# Altium PCB NewBee.PcbDoc
Units mm, origin at the board's own origin, x right, y up, seen from the top; angles counter-clockwise.
Board outline 80.7 x 80.7 mm, 2 copper layers (Top Layer, Bottom Layer); 90 components, 60 nets, 301 pads, 139 vias.
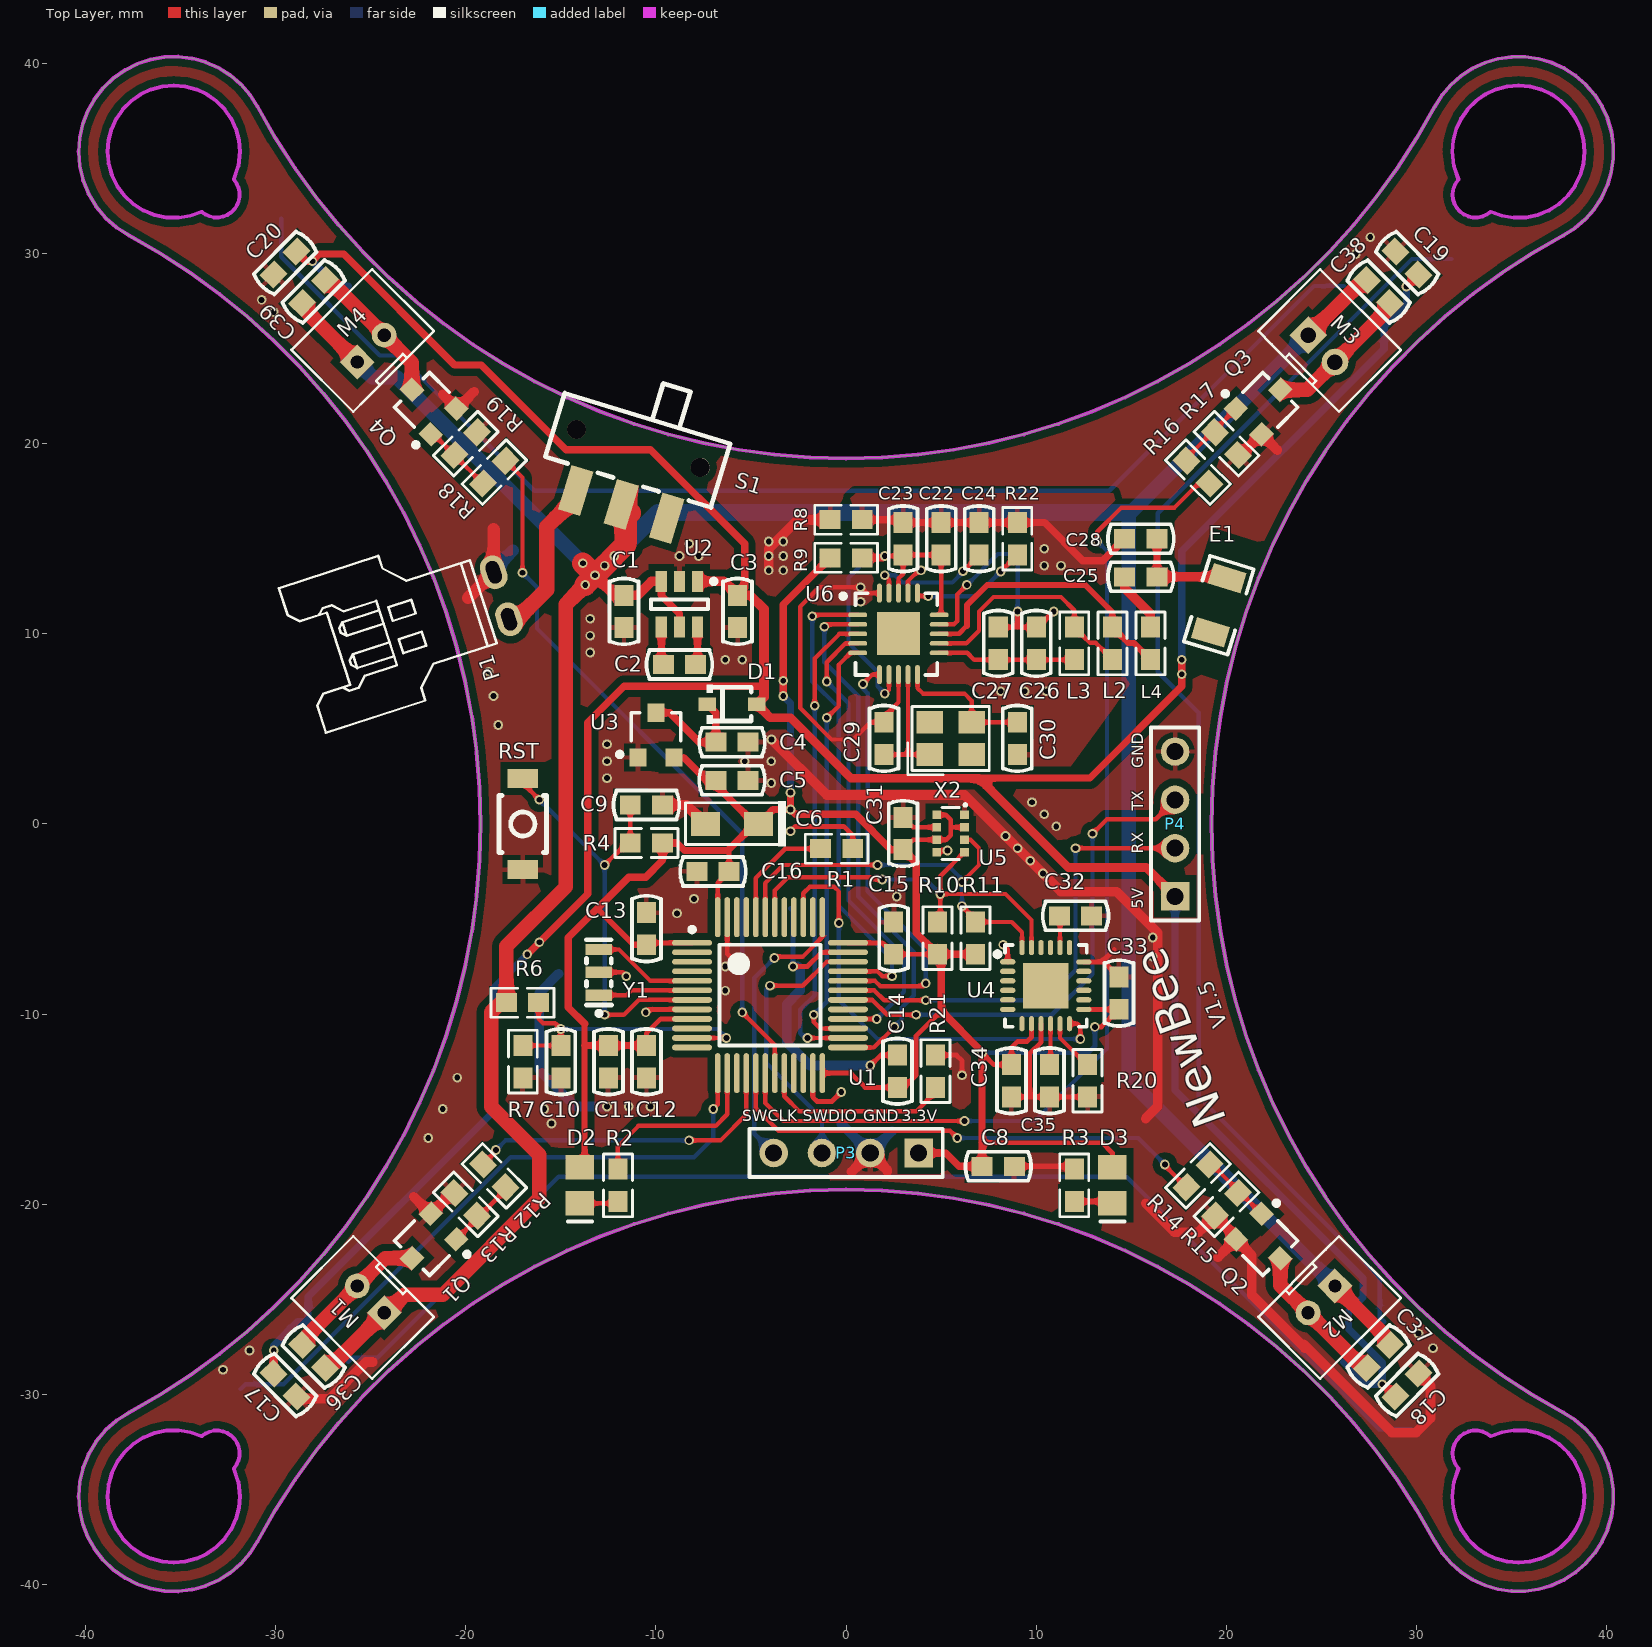
[diagram p0: Top Layer view]
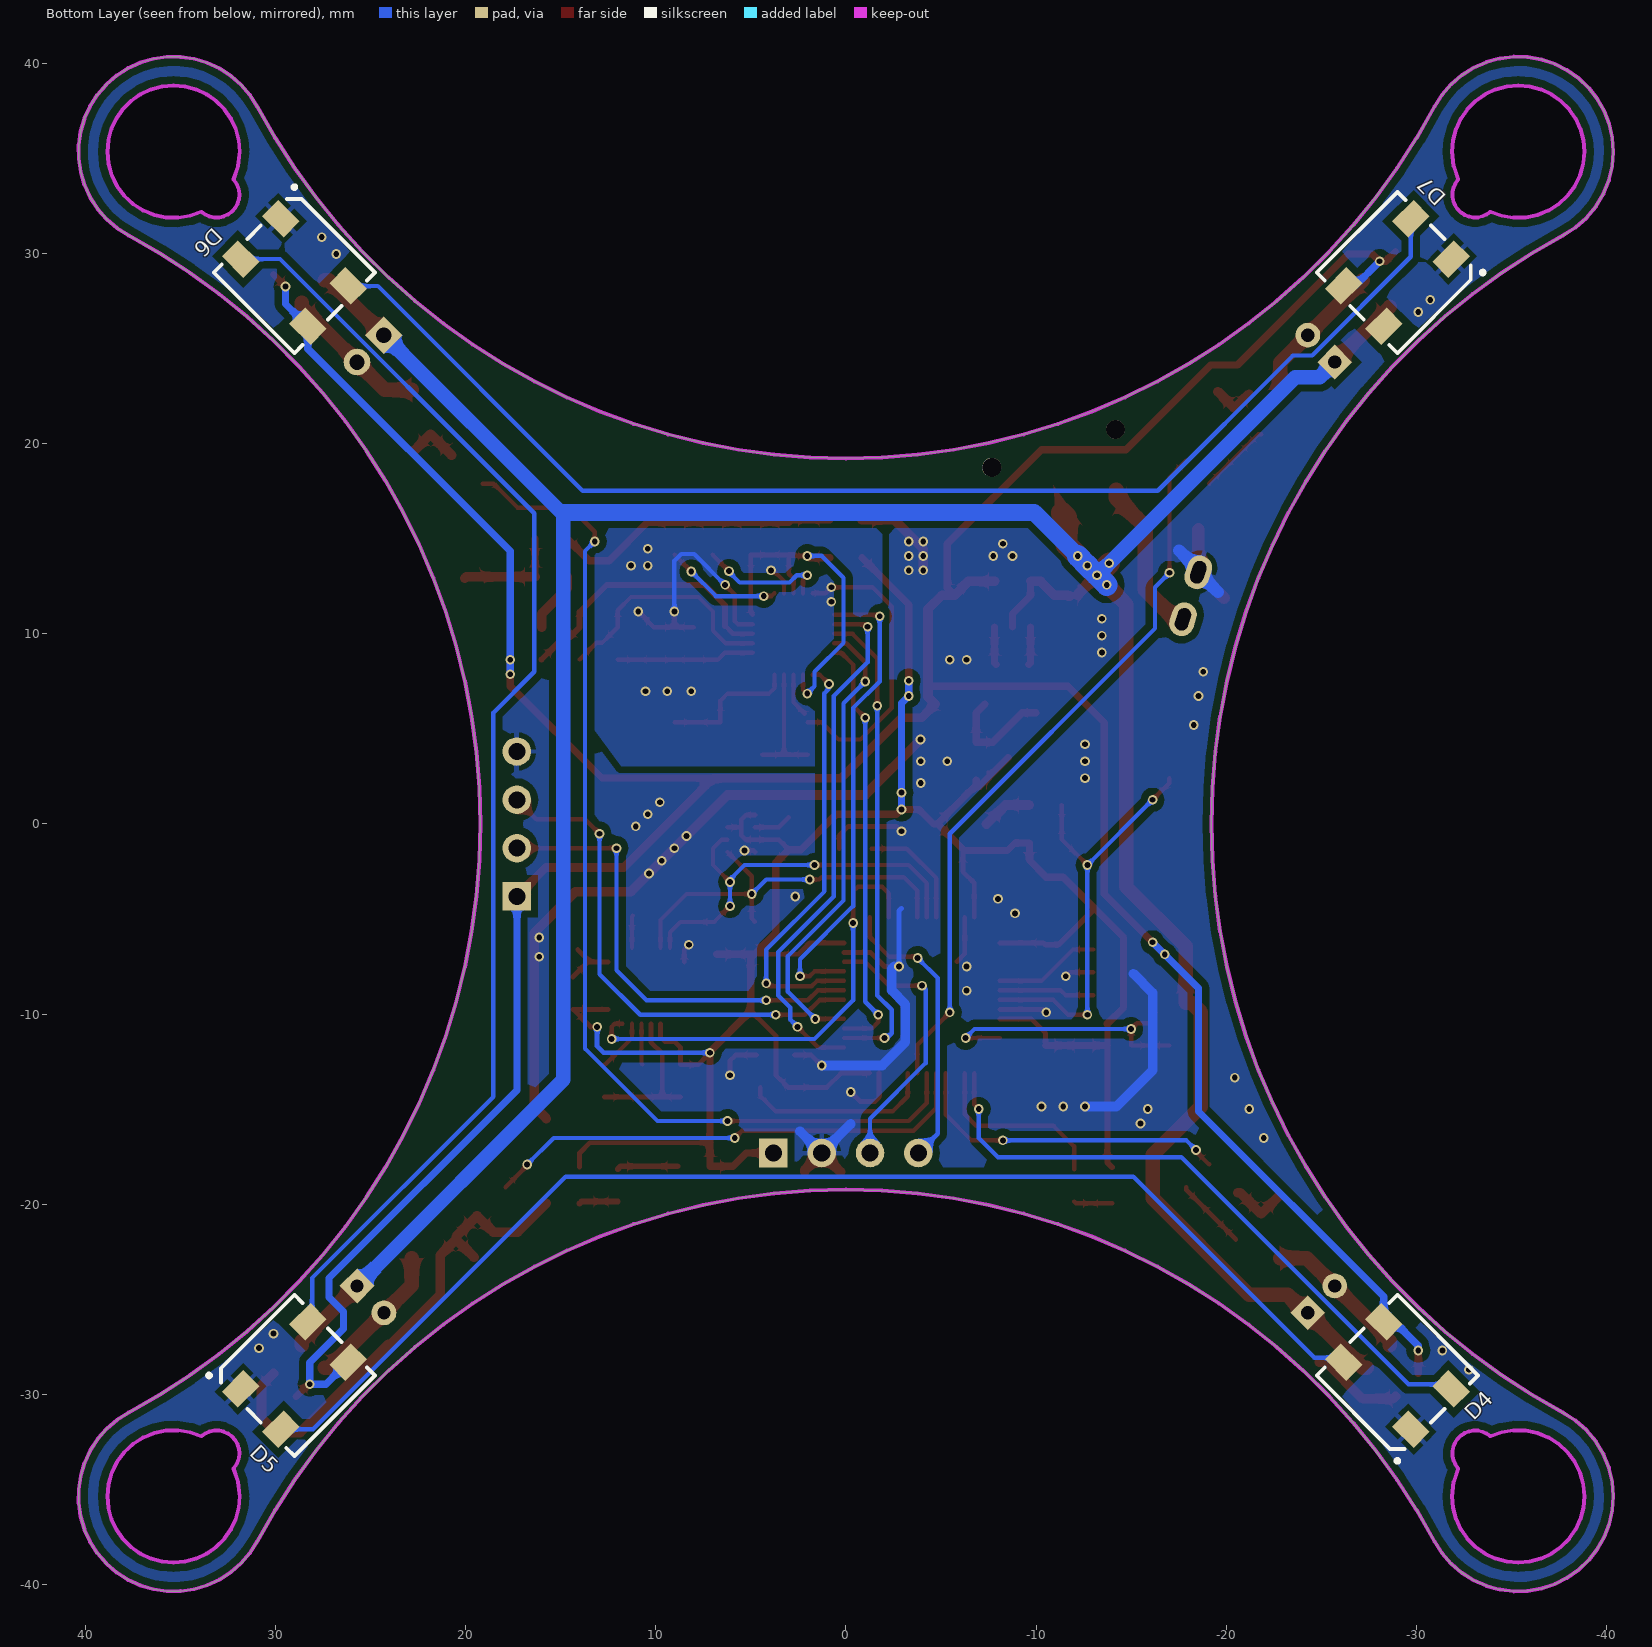
[diagram p1: Bottom Layer view, seen from below]

## Layer stack, top to bottom
Top Solder: solder mask 0.0102, Solder Resist, Dk 3.5
Top Layer: signal copper 0.0356
Dielectric 1: dielectric 0.32, FR-4, Dk 4.8
Bottom Layer: signal copper 0.0356
Bottom Solder: solder mask 0.0102, Solder Resist, Dk 3.5

## Board outline
-37.723,30.952 -36.081,30.011 -34.491,28.982 -32.959,27.87 -31.49,26.677 -30.086,25.407 -28.754,24.062 -27.495,22.648 -26.314,21.169 -25.215,19.628 -24.201,18.029 -23.274,16.379 -22.437,14.681 -21.692,12.941 -21.043,11.162 -20.49,9.352 -20.036,7.514 -19.681,5.655 -19.427,3.779 -19.274,1.892 -19.223,0 -19.274,-1.892 -19.427,-3.779 -19.681,-5.655 -20.036,-7.514 -20.49,-9.352 -21.043,-11.162 -21.692,-12.941 -22.437,-14.681 -23.274,-16.379 -24.201,-18.029 -25.215,-19.628 -26.314,-21.169 -27.495,-22.648 -28.754,-24.062 -30.086,-25.407 -31.49,-26.677 -32.959,-27.87 -34.491,-28.982 -36.081,-30.011 -37.723,-30.952 -38.37,-31.367 -38.946,-31.876 -39.437,-32.468 -39.832,-33.128 -40.12,-33.84 -40.296,-34.589 -40.355,-35.355 -40.301,-36.088 -40.14,-36.805 -39.876,-37.491 -39.514,-38.131 -39.062,-38.711 -38.53,-39.218 -37.93,-39.642 -37.274,-39.973 -36.576,-40.204 -35.852,-40.331 -35.117,-40.35 -34.388,-40.261 -33.679,-40.066 -33.007,-39.769 -32.385,-39.377 -31.828,-38.899 -31.346,-38.343 -30.952,-37.723 -30.011,-36.081 -28.982,-34.491 -27.87,-32.959 -26.677,-31.49 -25.407,-30.086 -24.062,-28.754 -22.648,-27.495 -21.169,-26.314 -19.628,-25.215 -18.029,-24.201 -16.379,-23.274 -14.681,-22.437 -12.941,-21.692 -11.162,-21.043 -9.352,-20.49 -7.514,-20.036 -5.655,-19.681 -3.779,-19.427 -1.892,-19.274 0,-19.223 1.892,-19.274 3.779,-19.427 5.655,-19.681 7.514,-20.036 9.352,-20.49 11.162,-21.043 12.941,-21.692 14.681,-22.437 16.379,-23.274 18.029,-24.201 19.628,-25.215 21.169,-26.314 22.648,-27.495 24.062,-28.754 25.407,-30.086 26.677,-31.49 27.87,-32.959 28.982,-34.491 30.011,-36.081 30.952,-37.723 31.335,-38.328 31.801,-38.871 32.339,-39.343 32.939,-39.733 33.589,-40.033 34.276,-40.237 34.984,-40.342 35.7,-40.343 36.408,-40.243 37.096,-40.043 37.747,-39.746 38.35,-39.36 38.891,-38.891 39.36,-38.35 39.746,-37.747 40.043,-37.096 40.243,-36.408 40.343,-35.7 40.342,-34.984 40.237,-34.276 40.033,-33.589 39.733,-32.939 39.343,-32.339 38.871,-31.801 38.328,-31.335 37.723,-30.952 36.081,-30.011 34.491,-28.982 32.959,-27.87 31.49,-26.677 30.086,-25.407 28.754,-24.062 27.495,-22.648 26.314,-21.169 25.215,-19.628 24.201,-18.029 23.274,-16.379 22.437,-14.681 21.692,-12.941 21.043,-11.162 20.49,-9.352 20.036,-7.514 19.681,-5.655 19.427,-3.779 19.274,-1.892 19.223,0 19.274,1.892 19.427,3.779 19.681,5.655 20.036,7.514 20.49,9.352 21.043,11.162 21.692,12.941 22.437,14.681 23.274,16.379 24.201,18.029 25.215,19.628 26.314,21.169 27.495,22.648 28.754,24.062 30.086,25.407 31.49,26.677 32.959,27.87 34.491,28.982 36.081,30.011 37.723,30.952 38.328,31.335 38.871,31.801 39.343,32.339 39.733,32.939 40.033,33.589 40.237,34.275 40.342,34.984 40.343,35.7 40.243,36.408 40.043,37.096 39.746,37.747 39.36,38.35 38.891,38.891 38.35,39.36 37.747,39.746 37.096,40.043 36.408,40.243 35.7,40.343 34.984,40.342 34.276,40.237 33.589,40.033 32.939,39.733 32.339,39.343 31.801,38.871 31.335,38.328 30.952,37.723 30.011,36.081 28.982,34.491 27.87,32.959 26.677,31.49 25.407,30.086 24.062,28.754 22.648,27.495 21.169,26.314 19.628,25.215 18.029,24.201 16.379,23.274 14.681,22.437 12.941,21.692 11.162,21.043 9.352,20.49 7.514,20.036 5.655,19.681 3.779,19.427 1.892,19.274 0,19.223 -1.892,19.274 -3.779,19.427 -5.655,19.681 -7.514,20.036 -9.352,20.49 -11.162,21.043 -12.941,21.692 -14.681,22.437 -16.379,23.274 -18.029,24.201 -19.628,25.215 -21.169,26.314 -22.648,27.495 -24.062,28.754 -25.407,30.086 -26.677,31.49 -27.87,32.959 -28.982,34.491 -30.011,36.081 -30.952,37.723 -31.346,38.343 -31.828,38.899 -32.385,39.377 -33.007,39.769 -33.679,40.066 -34.388,40.261 -35.117,40.35 -35.852,40.331 -36.576,40.204 -37.274,39.973 -37.93,39.642 -38.53,39.218 -39.062,38.711 -39.514,38.131 -39.876,37.491 -40.14,36.805 -40.301,36.088 -40.355,35.355 -40.296,34.589 -40.12,33.84 -39.832,33.128 -39.437,32.468 -38.946,31.876 -38.37,31.367
cut-out: -31.875,35.355 -31.957,34.606 -32.198,33.892 -32.056,33.696 -31.956,33.476 -31.902,33.24 -31.896,32.998 -31.939,32.76 -32.03,32.536 -32.163,32.334 -32.334,32.163 -32.536,32.03 -32.76,31.939 -32.998,31.896 -33.24,31.902 -33.476,31.956 -33.697,32.056 -33.892,32.198 -34.489,31.985 -35.114,31.884 -35.747,31.897 -36.367,32.026 -36.954,32.264 -37.488,32.605 -37.951,33.037 -38.328,33.546 -38.607,34.115 -38.778,34.725 -38.835,35.355 -38.782,35.96 -38.625,36.546 -38.369,37.095 -38.021,37.592 -37.592,38.021 -37.095,38.369 -36.546,38.625 -35.96,38.782 -35.355,38.835 -34.751,38.782 -34.165,38.625 -33.615,38.369 -33.118,38.021 -32.69,37.592 -32.342,37.095 -32.085,36.546 -31.928,35.96
cut-out: -38.835,-35.355 -38.778,-34.725 -38.607,-34.115 -38.328,-33.546 -37.951,-33.037 -37.488,-32.605 -36.954,-32.264 -36.367,-32.026 -35.747,-31.897 -35.114,-31.884 -34.489,-31.985 -33.892,-32.198 -33.697,-32.056 -33.476,-31.956 -33.24,-31.902 -32.998,-31.896 -32.76,-31.939 -32.536,-32.03 -32.334,-32.163 -32.163,-32.334 -32.03,-32.536 -31.939,-32.76 -31.896,-32.998 -31.902,-33.24 -31.956,-33.476 -32.056,-33.697 -32.198,-33.892 -31.957,-34.606 -31.875,-35.355 -31.928,-35.96 -32.085,-36.546 -32.342,-37.095 -32.69,-37.592 -33.118,-38.021 -33.615,-38.369 -34.165,-38.625 -34.751,-38.782 -35.355,-38.835 -35.96,-38.782 -36.546,-38.625 -37.095,-38.369 -37.592,-38.021 -38.021,-37.592 -38.369,-37.095 -38.625,-36.546 -38.782,-35.96
cut-out: 31.875,-35.355 31.957,-34.606 32.198,-33.892 32.032,-33.653 31.928,-33.381 31.893,-33.093 31.919,-32.844 31.996,-32.605 32.121,-32.388 32.288,-32.202 32.491,-32.054 32.719,-31.952 32.964,-31.899 33.215,-31.899 33.46,-31.95 33.689,-32.051 33.892,-32.198 34.489,-31.985 35.114,-31.884 35.747,-31.897 36.367,-32.026 36.954,-32.264 37.488,-32.605 37.951,-33.037 38.328,-33.546 38.607,-34.115 38.778,-34.725 38.835,-35.355 38.782,-35.96 38.625,-36.546 38.369,-37.095 38.021,-37.592 37.592,-38.021 37.095,-38.369 36.546,-38.625 35.96,-38.782 35.355,-38.835 34.751,-38.782 34.165,-38.625 33.615,-38.369 33.118,-38.021 32.69,-37.592 32.342,-37.095 32.085,-36.546 31.928,-35.96
cut-out: 38.835,35.355 38.778,34.725 38.607,34.115 38.328,33.546 37.951,33.037 37.488,32.605 36.954,32.264 36.367,32.026 35.747,31.897 35.114,31.884 34.489,31.985 33.892,32.198 33.689,32.051 33.46,31.95 33.215,31.899 32.964,31.899 32.719,31.952 32.491,32.054 32.288,32.202 32.121,32.388 31.996,32.605 31.919,32.843 31.893,33.093 31.928,33.381 32.032,33.653 32.198,33.892 31.957,34.606 31.875,35.355 31.928,35.96 32.085,36.546 32.342,37.095 32.69,37.592 33.118,38.021 33.615,38.369 34.165,38.625 34.751,38.782 35.355,38.835 35.96,38.782 36.546,38.625 37.095,38.369 37.592,38.021 38.021,37.592 38.369,37.095 38.625,36.546 38.782,35.96

## Design rules (kind name [scope] priority, off if disabled: settings)
Clearance [All] p1: gap=0.152 except(0.381: Arc-Poly Track-Poly SMDPad-Poly THPad-Poly Via-Poly Fill-Poly Poly-Poly)
MinimumSolderMaskSliver [All] p1: minsoldermaskwidth=0
PolygonConnect PolygonConnect_Pad [IsPad] p1: connectstyle=Relief reliefconductorwidth=0.254 reliefentries=4 polygonreliefangle="90 Angle" airgapwidth=0.254
PolygonConnect [All] p2: connectstyle=Direct reliefconductorwidth=0.254 reliefentries=4 polygonreliefangle="90 Angle" airgapwidth=0.254
RoutingVias RoutingVias_1 [(InNet('5V') OR InNet('VBAT') OR InNet('NetP1_2'))] p1: holewidth=0.406 width=0.762 viastyle="Through Hole" minholewidth=0.254 minwidth=0.508 maxholewidth=0.711 maxwidth=1.27
RoutingVias [All] p2: holewidth=0.305 width=0.508 viastyle="Through Hole" minholewidth=0.127 minwidth=0.254 maxholewidth=0.711 maxwidth=1.27
SilkToSilkClearance [All] p1: silktosilkclearance=0
SilkToSolderMaskClearance [IsPad] p1: minsilkscreentomaskgap=0 clearancetoexposedcopper=TRUE
SolderMaskExpansion [All] p1: expansion=0.102
Width Width_3 [InNet('5V')] p1: maxlimit=0.508 minlimit=0.254 preferedwidth=0.381
Width Width_2 [(InNet('VBAT') OR InNet('NetP1_2'))] p2: maxlimit=1.27 minlimit=0.381 preferedwidth=1.016
Width Width_1 [InNet('3.3V')] p3: maxlimit=0.381 minlimit=0.254 preferedwidth=0.305
Width [All] p4: maxlimit=1.27 minlimit=0.229 preferedwidth=0.229
27 further rules are at their usual default settings.

## Components (designator, comment, footprint, x,y, rotation, side; value= is the part's Value field where it differs from the comment)
C1 "10μF" C-0603 -11.684,11.176 r90 top
C2 "2.2μF" C-0603 -8.763,8.382 r180 top
C3 "10μF" C-0603 -5.715,11.176 r90 top
C4 "1μF" C-0603 -6,4.3 r0 top
C5 "1μF" C-0603 -6,2.3 r0 top
C6 "Cap-Pol" CAP-3216 -6,0 r180 top
C8 "104" C-0603 8,-18 r0 top
C9 "104" C-0603 -10.5,1 r0 top
C10 "104" C-0603 -15,-12.5 r90 top
C11 "1μF" C-0603 -12.5,-12.5 r90 top
C12 "104" C-0603 -10.5,-12.5 r90 top
C13 "104" C-0603 -10.5,-5.5 r270 top
C14 "104" C-0603 2.7,-13 r90 top
C15 "104" C-0603 2.5,-6 r270 top
C16 "104" C-0603 -7,-2.5 r0 top
C17 "104" C-0603 -29.5,-29.5 r315 top
C18 "104" C-0603 29.5,-29.5 r45 top
C19 "104" C-0603 29.5,29.5 r135 top
C20 "104" C-0603 -29.5,29.5 r225 top
C22 "10nF" C-0603 5,15 r270 top
C23 "1μF" C-0603 3,15 r270 top
C24 "33nF" C-0603 7,15 r90 top
C25 "1.5pF" C-0603 15.5,13 r180 top
C26 "2.2nF" C-0603 10,9.5 r90 top
C27 "4.7pF" C-0603 8,9.5 r90 top
C28 "1pF" C-0603 15.5,15 r0 top
C29 "10pF" C-0603 2,4.5 r270 top
C30 "10pF" C-0603 9,4.5 r90 top
C31 "104" C-0603 3,-0.5 r270 top
C32 "2.2nF" C-0603 12.065,-4.826 r180 top
C33 "104" C-0603 14.351,-8.89 r270 top
C34 "10nF" C-0603 8.7,-13.5 r90 top
C35 "104" C-0603 10.7,-13.5 r270 top
C36 "4.7μF" C-0603 -28,-28 r135 top
C37 "4.7μF" C-0603 28,-28 r225 top
C38 "4.7μF" C-0603 28,28 r315 top
C39 "4.7μF" C-0603 -28,28 r45 top
D1 "1N5819" SOD-323_L1.6-W1.3-LS2.7-RD -6,6.3 r0 top
D2 "LED0" LED-0805 -14,-19 r270 top
D3 "LED0" LED-0805 14,-19 r270 top
D4 "WS2812B" SMD-5050-4 -29,-29 r225 bottom
D5 "WS2812B" SMD-5050-4 29,-29 r315 bottom
D6 "WS2812B" SMD-5050-4 29,29 r45 bottom
D7 "WS2812B" SMD-5050-4 -29,29 r135 bottom
E1 "ANT" AN3216 19.6,11.5 r253 top
L2 "Inductor" 0603-1 14,9.5 r270 top
L3 "Inductor" 0603-1 12,9.5 r90 top
L4 "Inductor" 0603-1 16,9.5 r90 top
M1 "Motor_720" PH2.0-2P-TH#1 -25,-25 r135 top
M2 "Motor_720" PH2.0-2P-TH#1 25,-25 r225 top
M3 "Motor_720" PH2.0-2P-TH#2 25,25 r315 top
M4 "Motor_720" PH2.0-2P-TH#1 -25,25 r45 top
P1 "Header 2" 51005 -18.128,12 r108 top
P3 "Header 4" HDR4X1-2.54 0,-17.3 r180 top
P4 "Header 4" HDR4X1-2.54 17.3,0 r90 top
Q1 "SI2302" SOT23-3 -22,-22 r135 top
Q2 "SI2302" SOT23-3 22,-22 r225 top
Q3 "SI2302" SOT23-3 22,22 r315 top
Q4 "SI2302" SOT23-3 -22,22 r45 top
R1 "10K" 0603-1 -0.5,-1.3 r0 top
R2 "1K" 0603-1 -12,-19 r270 top
R3 "1K" 0603-1 12,-19 r270 top
R4 "10K" 0603-1 -10.5,-1 r0 top
R6 "100K" 0603-1 -17.018,-9.398 r0 top
R7 "100K" 0603-1 -17,-12.5 r270 top
R8 "0R" 0603-1 0,16 r180 top
R9 "0R" 0603-1 0,14 r180 top
R10 "4.7K" 0603-1 4.8,-6 r90 top
R11 "4.7K" 0603-1 6.8,-6 r90 top
R12 "100R" 0603-1 -18.5,-18.5 r315 top
R13 "10K" 0603-1 -20,-20 r315 top
R14 "100R" 0603-1 18.5,-18.5 r45 top
R15 "10K" 0603-1 20,-20 r45 top
R16 "100R" 0603-1 18.5,18.5 r135 top
R17 "10K" 0603-1 20,20 r135 top
R18 "100R" 0603-1 -18.5,18.5 r225 top
R19 "10K" 0603-1 -20,20 r225 top
R20 "1K" 0603-1 12.7,-13.5 r90 top
R21 "10K" 0603-1 4.7,-13 r90 top
R22 "10K" 0603-1 9,15 r270 top
RST "SW-PB" SW-SMD_L4.0-W3.0-P4.8-LS5.0-L -17,0 r270 top
S1 "SW" SW-SMD_DEALON_MK-12D04-G2 -11,19.5 r343 top
U1 "STM32F103C8T6" LQFP-48 -4,-9 r0 top
U2 "PW5410A" SOT23-6 -8.763,11.557 r270 top
U3 "XC6206-3.3V" SOT23-3 -10,4.674 r0 top
U4 "MPU6050" QFN-24 10.5,-8.5 r270 top
U5 "SPL06-001" SENSOR-SMD_SPL06-001 5.5,-0.5 r90 top
U6 "Si24R1" QFN20 0.611,11 r0 top
X2 "16M" X-SMD_4P-L3.2-W2.5-BL 5.5,4.5 r0 top
Y1 "8MHz" OSC-SMD_3P-L3.2-W1.3-P1.20-L -13,-7.8 r90 top

## Footprints (in the part's own frame and the unit in brackets; to place one, negate y for a bottom-side part, rotate by r counter-clockwise, add the part's x,y. Pads: shape width x height; smd on the part's side, far side on the other; paste and mask are expansions set on the pad)
0603-1 [mm] "0603带丝印"
  rect 1.1x1 smd: 1(-0.85,0) 2(0.85,0)
  silkscreen extent -1.65,-0.76 1.65,0.76, body extent -0.8,-0.4 0.8,0.4, height 0.3
51005 [mm] "51005连接器2.0mm间距空中对接"
  oval 1.8x1.3 hole 0.7 slot 1.2 at 0 deg: 1(-1.3,0) 2(1.3,0)
  silkscreen extent -4,1 4,11, body extent -4,-0.25 4,11.75, height 1
AN3216 [mm]
  rect 1.13x1.8 smd: 0(1.49,0) 1(-1.49,0)
  silkscreen extent -2.36,-1.2 2.35,1.2, body extent -2.25,-1 2.25,1, height 0.88
C-0603 [mm] "贴片电容"
  rect 1.1x1 smd: 1(-0.85,0) 2(0.85,0)
  silkscreen extent -1.73,-0.76 1.73,0.76, body extent -0.8,-0.4 0.8,0.4, height 0.3
CAP-3216 [mil] "钽电容"
  rect 60x50 smd: 1(-55,0) 2(55,0)
  silkscreen extent -111,-48 96,46, body extent -63,-32 63,31, height 63
HDR4X1-2.54 [mm] "2.54单排针排座"
  rect 1.5x1.5 hole 0.9: 1(-3.81,0)
  round 1.5 hole 0.9: 2(-1.27,0) 3(1.27,0) 4(3.81,0)
  silkscreen extent -5.08,-1.27 5.08,1.27, body extent -5.08,-1.27 5.08,1.27, height 8.5
LED-0805 [mm] "贴片LED"
  rect 1.3x1.5 smd: 1(-0.95,0) 2(0.95,0)
  silkscreen extent 1.91,-0.63 1.91,0.64, body extent -1.01,-0.62 1.01,0.63, height 1.1
LQFP-48 [mm] "LQFP"
  oval 2.1x0.3 smd: 1(-4.1,2.75) 2(-4.1,2.25) 3(-4.1,1.75) 4(-4.1,1.25) 5(-4.1,0.75) 6(-4.1,0.25) 7(-4.1,-0.25) 8(-4.1,-0.75) 9(-4.1,-1.25) 10(-4.1,-1.75) 11(-4.1,-2.25) 12(-4.1,-2.75) 25(4.1,-2.75) 26(4.1,-2.25) 27(4.1,-1.75) 28(4.1,-1.25) 29(4.1,-0.75) 30(4.1,-0.25) 31(4.1,0.25) 32(4.1,0.75) 33(4.1,1.25) 34(4.1,1.75) 35(4.1,2.25) 36(4.1,2.75)
  oval 0.3x2.1 smd: 13(-2.75,-4.1) 14(-2.25,-4.1) 15(-1.75,-4.1) 16(-1.25,-4.1) 17(-0.75,-4.1) 18(-0.25,-4.1) 19(0.25,-4.1) 20(0.75,-4.1) 21(1.25,-4.1) 22(1.75,-4.1) 23(2.25,-4.1) 24(2.75,-4.1) 37(2.75,4.1) 38(2.25,4.1) 39(1.75,4.1) 40(1.25,4.1) 41(0.75,4.1) 42(0.25,4.1) 43(-0.25,4.1) 44(-0.75,4.1) 45(-1.25,4.1) 46(-1.75,4.1) 47(-2.25,4.1) 48(-2.75,4.1)
  silkscreen extent -4.22,-2.65 2.65,3.57, body extent -4.57,-4.2 4.46,4.83, height 1.6
OSC-SMD_3P-L3.2-W1.3-P1.20-L [mm]
  rect 0.599x1.4 smd mask+0.051: 1(-1.199,0) 2(0,0) 3(1.199,0)
  silkscreen extent -2.28,-0.66 1.72,0.66, body extent -1.6,-0.66 1.6,0.66, height 0.81
PH2.0-2P-TH#1 [mm]
  rect 1.3x1.3 hole 0.7 mask+0.051: 1(-1,0)
  round 1.3 hole 0.7 mask+0.051: 2(1,0)
  silkscreen extent -3,-1.7 3,2.9, body extent -3,-1.8 3,3, height 6.2
PH2.0-2P-TH#2 [mm]
  rect 1.4x1.4 hole 0.813 mask+0.051: 1(-1,0)
  round 1.4 hole 0.813 mask+0.051: 2(1,0)
  silkscreen extent -3,-1.7 3,2.9, body extent -3,-1.8 3,3, height 6.2
QFN20 [mm]
  rect 2.261x2.261 smd: 0(2.134,-0.991)
  oval 1x0.25 smd: 1(0,0) 2(0,-0.5) 3(0,-1) 4(0,-1.5) 5(0,-2) 11(4.286,-2) 12(4.286,-1.5) 13(4.286,-1) 14(4.286,-0.5) 15(4.286,0)
  oval 0.25x1 smd: 6(1.143,-3.143) 7(1.643,-3.143) 8(2.143,-3.143) 9(2.643,-3.143) 10(3.143,-3.143) 16(3.143,1.143) 17(2.643,1.143) 18(2.143,1.143) 19(1.643,1.143) 20(1.143,1.143)
  silkscreen extent -0.89,-3.17 4.18,1.13, body extent 0.03,-3.02 4.03,0.98, height 0.9
QFN-24 [mm]
  oval 0.28x0.8 smd: 1(-1.25,-2) 2(-0.75,-2) 3(-0.25,-2) 4(0.25,-2) 5(0.75,-2) 6(1.25,-2) 13(1.25,2) 14(0.75,2) 15(0.25,2) 16(-0.25,2) 17(-0.75,2) 18(-1.242,2)
  oval 0.8x0.28 smd: 7(2,-1.25) 8(2,-0.75) 9(2,-0.25) 10(2,0.25) 11(2,0.75) 12(2,1.25) 19(-2,1.25) 20(-2,0.75) 21(-2,0.25) 22(-2,-0.25) 23(-2,-0.75) 24(-2,-1.25)
  rect 2.4x2.4 smd: 25(0.012,0)
  silkscreen extent -2.14,-2.79 2.16,2.15, body extent -2.08,-2.08 2.09,2.09, height 0.8
SENSOR-SMD_SPL06-001 [mm]
  rect 0.45x0.45 smd: 1(0.975,-0.725) 2(0.325,-0.725) 3(-0.325,-0.725) 4(-0.975,-0.725) 5(-0.975,0.725) 6(-0.325,0.725) 7(0.325,0.725) 8(0.975,0.725)
  silkscreen extent -1.37,-0.84 1.57,0.45, body extent -1.25,-1 1.25,1, height 0.96
SMD-5050-4 [mm]
  rect 1.6x1.2 smd: 1(-2.5,1.5) 2(-2.5,-1.5) 3(2.5,-1.5) 4(2.5,1.5)
  silkscreen extent -3,-3.27 3.27,3, body extent -2.7,-2.5 2.7,2.5, height 1.5
SOD-323_L1.6-W1.3-LS2.7-RD [mm]
  rect 0.899x0.701 smd mask+0.05: 1(1.3,0) 2(-1.3,0)
  silkscreen extent -1.32,-1.02 1.02,1.02, body extent -1.23,-0.65 1.28,0.65, height 1.2
SOT23-3 [mm]
  rect 0.9x0.95 smd: 1(-0.95,-1.175) 2(0.95,-1.175) 3(0,1.175)
  silkscreen extent -2.03,-1.14 1.3,1.18, body extent -1.45,-1.4 1.45,1.4, height 1.2
SOT23-6 [mm] "Max4173"
  rect 1.1x0.6 smd: 1(-1.2,0.95) 2(-1.2,0) 3(-1.2,-0.95) 4(1.2,-0.95) 5(1.2,0) 6(1.2,0.95)
  silkscreen extent -1.32,-1.5 0.25,1.93, body extent -1.19,-1.4 1.23,1.4, height 1.08
SW-SMD_DEALON_MK-12D04-G2 [mm] "微型拨动开关"
  rect 1.2x2.45 smd: 1(-2.5,-2.813) 2(0,-2.813) 3(2.5,-2.813)
  round 1 hole 1 unplated: ""(-3.4,0.261) ""(3.4,0.261)
  silkscreen extent -4.55,-1.59 4.55,3.91, body extent -4.5,-3.59 4.5,3.86, height 3.82
SW-SMD_L4.0-W3.0-P4.8-LS5.0-L [mm]
  rect 1x1.6 smd mask+0.051: 1(-2.4,0) 2(2.4,0)
  silkscreen extent -1.5,-1.25 1.5,1.25, body extent -2.4,-1.6 2.4,1.6, height 2
X-SMD_4P-L3.2-W2.5-BL [mil]
  rect 55.1x47.2 smd mask+2: 1(-43.3,-33.5) 2(43.3,-33.5) 3(43.3,33.5) 4(-43.3,33.5)